# Altium PCB RP2350B.PcbDoc (continued)
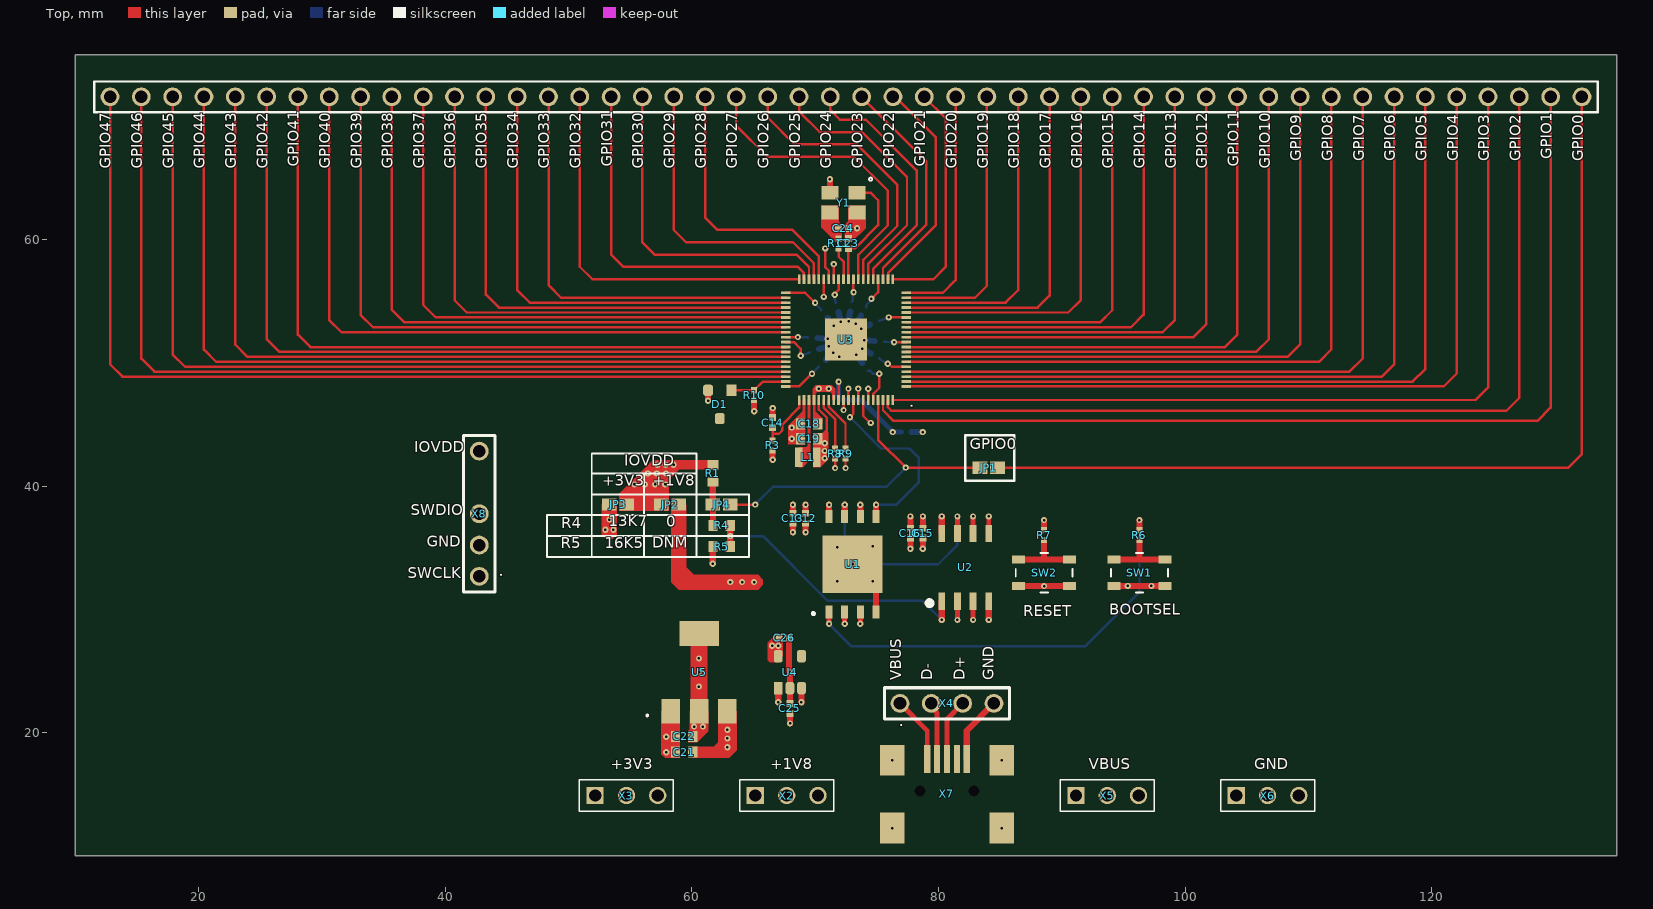
[diagram p0: Top view]
## Footprints (in the part's own frame and the unit in brackets; to place one, negate y for a bottom-side part, rotate by r counter-clockwise, add the part's x,y. Pads: shape width x height; smd on the part's side, far side on the other; paste and mask are expansions set on the pad)
1734327-1 [mm] "CONN RCPT USB2.0 MINI A SMD R/A"
  round 0.8 hole 0.9 unplated mask+0: 0(1,2.2) 0(1,-2.2)
  rect 2.3x0.5 smd: 1(3.6,1.6) 2(3.6,0.8) 3(3.6,0) 4(3.6,-0.8) 5(3.6,-1.6)
  rect 2.5x2 smd: 6(3.5,-4.45) 7(-2,-4.45) 8(-2,4.45) 9(3.5,4.45)
  body extent -4.95,-4.95 4.25,4.95, height 4.14
434133025816 [mm] "Push Button 4.2x3.2mm"
  rect 1.05x0.65 smd mask+0: 1(-2.075,1.075) 2(2.075,1.075) 3(-2.075,-1.075) 4(2.075,-1.075)
  silkscreen extent -2.3,-1.6 2.3,1.6, body extent -2.3,-1.6 2.3,1.6, height 2.5
ABM8 [mm] "Abracon ABM8 series footrpint"
  rect 1.1x1.4 smd: 1(-0.8,1.1) 2(-0.8,-1.1) 3(0.8,-1.1) 4(0.8,1.1)
  silkscreen extent -2.03,2.07 -1.77,2.33, body extent -1.35,-1.7 1.35,1.7, height 0.76
CAPC0402 [mm] "Chip Capacitor; Body 1.0x0.5mm (LxW typ) [0402], IPC High Density"
  rect 0.55x0.55 smd paste+0 mask+0.05: 1(-0.4,0) 2(0.4,0)
  body extent -0.5,-0.25 0.5,0.25, height 0.5
CAPC0603 [mm] "Chip Capacitor; Body 1.6x0.8mm (LxW typ) [0603], IPC High Density"
  rect 0.75x0.9 smd paste+0 mask+0.05: 1(-0.7,0) 2(0.7,0)
  body extent -0.8,-0.4 0.8,0.4, height 0.8
HDR_TH_1X3+0+1_M_00 [mil] "Header; 1x5 pins (one is key); Male; Straight; Pitch 2.54mm; Samtec HMTSW Series"
  round 60 hole 40 paste-99999 mask+1.97: 1(-200,0) 2(-100,0) 3(0,0) 4(200,0)
  silkscreen extent -250,-50 250,50, body extent -250,-49 250,49, height 340
HDR_TH_1X3_M_00 [mm] "Header; 1x3 pins; Male; Straight; Pitch 2.54mm"
  rect 1.4x1.4 hole 1 paste-2539.97 mask+0.05: 1(-2.54,0)
  round 1.4 hole 1 paste-2539.97 mask+0.05: 2(0,0) 3(2.54,0)
  silkscreen extent -3.81,-1.27 3.81,1.27, body extent -3.94,-1.27 3.81,1.27, height 10.67
HDR_TH_1X4_M_00 [mil] "Header; 1x4 pins; Male; Straight; Pitch 2.54mm; Samtec HMTSW Series"
  round 60 hole 40 paste-99999 mask+1.97: 1(-150,0) 2(-50,0) 3(50,0) 4(150,0)
  silkscreen extent -200,-50 200,50, body extent -200,-49 200,49, height 340
HDR_TH_1X48_M_00 [mil] "Header; 1x48 pins; Male; Straight; Pitch 2.54mm; Samtec HMTSW Series"
  round 60 hole 40 paste-99999 mask+1.97: 1(-2350,0) 2(-2250,0) 3(-2150,0) 4(-2050,0) 5(-1950,0) 6(-1850,0) 7(-1750,0) 8(-1650,0) 9(-1550,0) 10(-1450,0) 11(-1350,0) 12(-1250,0) 13(-1150,0) 14(-1050,0) 15(-950,0) 16(-850,0) 17(-750,0) 18(-650,0) 19(-550,0) 20(-450,0) 21(-350,0) 22(-250,0) 23(-150,0) 24(-50,0) 25(50,0) 26(150,0) 27(250,0) 28(350,0) 29(450,0) 30(550,0) 31(650,0) 32(750,0) 33(850,0) 34(950,0) 35(1050,0) 36(1150,0) 37(1250,0) 38(1350,0) 39(1450,0) 40(1550,0) 41(1650,0) 42(1750,0) 43(1850,0) 44(1950,0) 45(2050,0) 46(2150,0) 47(2250,0) 48(2350,0)
  silkscreen extent -2400,-49 2400,49, body extent -2400,-49 2400,49, height 340
IND_0806 [mm] "Inductor 0806 (2016 metric)"
  rect 0.6x1.6 smd paste+0 mask+0.05: 1(-0.725,0) 2(0.725,0)
  body extent -1,-0.8 1,0.8, height 1
JumperSMD_0603 [mm] "Chip Resistor, Body 1.6x0.8mm (LxW typ), IPC High Density"
  rect 1.2x1 smd paste-1 mask+0.05: 1(-0.711,0) 2(0.711,0)
  body extent -0.77,-0.42 0.78,0.43, height 0.7
QFN-80 [mm] "Raspberry pi"
  rect 3.4x3.4 smd paste+0 mask+0.05: 0(0,0)
  rect 0.78x0.22 smd paste+0 mask+0.05: 1(-4.897,3.8) 2(-4.897,3.4) 3(-4.897,3) 4(-4.897,2.6) 5(-4.897,2.2) 6(-4.897,1.8) 7(-4.897,1.4) 8(-4.897,1) 9(-4.897,0.6) 10(-4.897,0.2) 11(-4.897,-0.2) 12(-4.897,-0.6) 13(-4.897,-1) 14(-4.897,-1.4) 15(-4.897,-1.8) 16(-4.897,-2.2) 17(-4.897,-2.6) 18(-4.897,-3) 19(-4.897,-3.4) 20(-4.897,-3.8) 41(4.897,-3.8) 42(4.897,-3.4) 43(4.897,-3) 44(4.897,-2.6) 45(4.897,-2.2) 46(4.897,-1.8) 47(4.897,-1.4) 48(4.897,-1) 49(4.897,-0.6) 50(4.897,-0.2) 51(4.897,0.2) 52(4.897,0.6) 53(4.897,1) 54(4.897,1.4) 55(4.897,1.8) 56(4.897,2.2) 57(4.897,2.6) 58(4.897,3) 59(4.897,3.4) 60(4.897,3.8)
  rect 0.22x0.78 smd paste+0 mask+0.05: 21(-3.8,-4.896) 22(-3.4,-4.896) 23(-3,-4.896) 24(-2.6,-4.896) 25(-2.2,-4.896) 26(-1.8,-4.896) 27(-1.4,-4.896) 28(-1,-4.896) 29(-0.6,-4.896) 30(-0.2,-4.896) 31(0.2,-4.896) 32(0.6,-4.896) 33(1,-4.896) 34(1.4,-4.896) 35(1.8,-4.896) 36(2.2,-4.896) 37(2.6,-4.896) 38(3,-4.896) 39(3.4,-4.896) 40(3.8,-4.896) 61(3.796,4.905) 62(3.4,4.896) 63(3,4.896) 64(2.6,4.896) 65(2.2,4.896) 66(1.8,4.896) 67(1.4,4.896) 68(1,4.896) 69(0.6,4.896) 70(0.2,4.896) 71(-0.2,4.896) 72(-0.6,4.896) 73(-1,4.896) 74(-1.4,4.896) 75(-1.8,4.896) 76(-2.2,4.896) 77(-2.6,4.896) 78(-3,4.896) 79(-3.4,4.896) 80(-3.8,4.896)
  body extent -5.02,-5.02 5.02,5.02, height 0.85
RESC0402 [mm] "Chip Resistor, Body 1.1x0.5mm (LxW typ) [0402], IPC High Density"
  rect 0.5x0.5 smd paste+0 mask+0.05: 1(-0.4,0) 2(0.4,0)
  body extent -0.5,-0.25 0.5,0.25, height 0.35
RESC0603 [mm] "Chip Resistor, Body 1.6x0.8mm (LxW typ) [0603], IPC High Density"
  rect 0.75x0.9 smd paste+0 mask+0.05: 1(-0.7,0) 2(0.7,0)
  body extent -0.8,-0.4 0.8,0.4, height 0.45
"SOP-8L (150)" [mm] "apmemory SOP-8L(150)"
  rect 1.4x0.55 smd paste+0 mask+0.05: 1(-2.75,1.905) 2(-2.75,0.635) 3(-2.75,-0.635) 4(-2.75,-1.905) 5(2.75,-1.905) 6(2.75,-0.635) 7(2.75,0.635) 8(2.75,1.905)
  silkscreen extent -3.1,2.7 -2.7,3.1, body extent -3.02,-2.51 3.02,2.51, height 1.6
SOT23-3 [mm]
  rect 0.8x0.9 smd paste+0 mask+0.05: 1(0.95,1.15)
  rrect50% 0.8x0.9 smd paste+0 mask+0.05: 2(-0.95,1.15) 3(0,-1.15)
  body extent -1.45,-1.4 1.45,1.4, height 1.3
SOT23-5 [mil] "SOT 23 5 lead"
  rect 28x39 smd paste+0 mask+1.97: 1(-37,-51)
  rrect50% 28x39 smd paste+0 mask+1.97: 2(0,-51) 3(37,-51) 4(37,51) 5(-37,51)
  body extent -59,-49 59,49, height 42
SOT-232-4 [mm] "onsemi"
  rect 1.5x2 smd: 1(-2.3,-3.15) 2(0,-3.15) 3(2.3,-3.15)
  rect 3.2x2 smd: 4(0,3.15)
  silkscreen extent -4.27,-3.57 -4.12,-3.43, body extent -3.35,-3.64 3.35,3.64, height 1.81
WSON8-6x8 [mm]
  rect 4.7x4.9 smd paste+0 mask+0.05: 0(0,0)
  rect 1.05x0.57 smd paste+0 mask+0.05: 1(-3.875,1.905) 2(-3.875,0.635) 3(-3.875,-0.635) 4(-3.875,-1.905) 5(3.875,-1.905) 6(3.875,-0.635) 7(3.875,0.635) 8(3.875,1.905)
  silkscreen extent -4.1,3.07 -3.9,3.28, body extent -4,-3 4,3, height 0.81

## Part data
C1: library part 100n_0402_10V_X7R_5%, "Capacitor; Ceramic; 100n; 2; 10V; X7R; 5%; -55°C ~ 125°C", Manufacturer=KEMET, Supplier Part Number 1=399-8942-6-ND, ComponentLink1Description=Datasheet, ComponentLink1URL=https://content.kemet.com/datasheets/KEM_C1002_X7R_SMD.pdf, ComponentLink2Description="Supplier Info", ComponentLink2URL=https://www.digikey.com/en/products/detail/kemet/C0402C104J8RACTU/2196231?s=N4IgTCBcDaIMwE4EFoAcCAsZkDZkDkAREAXQF8g, Manufacturer Part Number=C0402C104J8RACTU, Supplier 1=DigiKey
C2 C14: library part 4u7_0402_10V_X5R_10%, "Capacitor; Ceramic; 4.7u; 0402; 10V; X5R; 10%; -55°C ~ 85°C", Manufacturer="Samsung Electro-Mechanics", Supplier Part Number 1=1276-1480-6-ND, ComponentLink1Description=Datasheet, ComponentLink1URL=https://media.digikey.com/pdf/Data%20Sheets/Samsung%20PDFs/CL05A475KP5NRNC_Spec.pdf, ComponentLink2Description="Supplier Info", ComponentLink2URL=https://www.digikey.com/en/products/detail/samsung-electro-mechanics/CL05A475KP5NRNC/3887138?s=N4IgTCBcDaIIxgOwDYC0cAsAOADKtAcgCIgC6AvkA, Manufacturer Part Number=CL05A475KP5NRNC, Supplier 1=DigiKey
C3 C4 C5 C6 C7 C8 C9 C10 C11 C13 C16 C20: library part 100n_0402_10V_X7R_5%, "Capacitor; Ceramic; 100n; 0402; 10V; X7R; 5%; -55°C ~ 125°C", Manufacturer=KEMET, Supplier Part Number 1=399-8942-6-ND, ComponentLink1Description=Datasheet, ComponentLink1URL=https://content.kemet.com/datasheets/KEM_C1002_X7R_SMD.pdf, ComponentLink2Description="Supplier Info", ComponentLink2URL=https://www.digikey.com/en/products/detail/kemet/C0402C104J8RACTU/2196231?s=N4IgTCBcDaIMwE4EFoAcCAsZkDZkDkAREAXQF8g, Manufacturer Part Number=C0402C104J8RACTU, Supplier 1=DigiKey
C12 C15 C25 C26: library part 1u_0402_10V_X5R_10%, "Capacitor; Ceramic; 1u; 0402; 10V; X5R; 10%; -55°C ~ 85°C", Manufacturer="Samsung Electro-Mechanics", Supplier Part Number 1=1276-1076-6-ND, ComponentLink1Description=Datasheet, ComponentLink1URL=https://www.samsungsem.com/resources/file/global/support/product_catalog/MLCC.pdf, ComponentLink2Description="Supplier Info", ComponentLink2URL=https://www.digikey.com/en/products/detail/samsung-electro-mechanics/CL05A105KP5NNNC/3886734?s=N4IgTCBcDaIIxgOwDYC0cAMLVoHIBEQBdAXyA, Manufacturer Part Number=CL05A105KP5NNNC, Supplier 1=DigiKey
C18 C19: library part 4u7_0603_6V3_X7S_10%, "Capacitor; Ceramic; 4.7u; 0603; 6.3V; X7S; 10%; -55°C ~ 125°C", Manufacturer="Murata Electronics", Manufacturer Part Number=GCJ188C70J475KE02D, Supplier Part Number 1=490-16480-1-ND, ComponentLink1Description=Datasheet, ComponentLink1URL=https://search.murata.co.jp/Ceramy/image/img/A01X/G101/ENG/GCJ188C70J475KE02-01.pdf, ComponentLink2Description="Supplier Info", ComponentLink2URL=https://www.digikey.de/en/products/detail/murata-electronics/GCJ188C70J475KE02D/7363224, Supplier 1=DigiKey
C21 C22: library part 10u_0603_16V_X5R_10%, "Capacitor; Ceramic; 10u; 0603; 16V; X5R; 10%; -55°C ~ 85°C", Manufacturer="Murata Electronics", Manufacturer Part Number=GRM188R61C106KAALD, Supplier Part Number 1=490-10728-6-ND, ComponentLink1Description=Datasheet, ComponentLink1URL=https://search.murata.co.jp/Ceramy/image/img/A01X/G101/ENG/GRM188R61C106KAAL-01.pdf, ComponentLink2Description="Supplier Info", ComponentLink2URL=https://www.digikey.com/en/products/detail/murata-electronics/GRM188R61C106KAALD/4905338?s=N4IgTCBcDaICwE4AMBaAjEg7GAHCgbCgHIAiIAugL5A, Supplier 1=DigiKey
C23 C24: library part 15p_0402_25V_C0G/NP0_5%, "Capacitor; Ceramic; 15p; 0402; 25V; C0G/NP0; +/-5%; -55°C ~ 125°C", Manufacturer=YAGEO, Manufacturer Part Number=CC0402JRNPO8BN150, Supplier Part Number 1=311-3746-1-ND, ComponentLink1Description=Datasheet, ComponentLink1URL=https://www.yageo.com/upload/media/product/productsearch/datasheet/mlcc/UPY-GP_NP0_16V-to-50V_18.pdf, ComponentLink2Description="Supplier Info", ComponentLink2URL=https://www.digikey.de/en/products/detail/yageo/CC0402JRNPO8BN150/5883268, Supplier 1=DigiKey
D1: "Shunt Voltage Reference IC Fixed 3V ±1% 15 mA SOT-23-3", Manufacturer="Diodes Incorporated", Supplier Part Number 1=LM4040D30FTADICT-ND, ComponentLink1Description=Datasheet, ComponentLink1URL=https://www.diodes.com/assets/Datasheets/LM4040.pdf, ComponentLink2Description="Supplier Info", ComponentLink2URL=https://www.digikey.de/en/products/detail/diodes-incorporated/LM4040D30FTA/4249974, Manufacturer Part Number=LM4040D30FTA, Supplier 1=Digi-Key
JP1 JP2 JP3 JP4: library part JMP_0R_0603, "Jumper; Chip; 0R; 0603; 500mW", Manufacturer=Keystone, Manufacturer Part Number=5110, Supplier Part Number 1=36-5110CT-ND, ComponentLink1Description=Datasheet, ComponentLink1URL=https://www.keyelco.com/userAssets/file/M65p54.pdf, ComponentLink2Description="Supplier Info", ComponentLink2URL=https://www.digikey.com/en/products/detail/keystone-electronics/5110/5118870?s=N4IgTCBcDaINIFMCeBnALgewHYIAQFYBGQgBhAF0BfIA, Supplier 1=DigiKey
L1: "3.3 µH Shielded Inductor 1.4 A 225mOhm Max 0806", Manufacturer="Bourns Inc.", Manufacturer Part Number=SRP2010DPA-3R3M, Supplier Part Number 1=118-SRP2010DPA-3R3MCT-ND, ComponentLink1Description="Supplier Info", ComponentLink1URL=https://www.digikey.de/en/products/detail/bourns-inc/SRP2010DPA-3R3M/16185975?s=N4IgTCBcDaIMoCUAKYAMBGVARJBBAtAMwKECyIAugL5A, ComponentLink2Description=Datasheet, ComponentLink2URL=https://mm.digikey.com/Volume0/opasdata/d220001/medias/docus/5338/SRP2010DPA_Series_DS.pdf, Supplier 1=Digi-Key
R1: library part 10K_0603_100mW_1%_100ppm, "Resistor; Chip; 10k; 0603; 75V; 1%; 100ppm; 100mW; -55°C ~ 155°C", Manufacturer=Yageo, Manufacturer Part Number=RC0603FR-0710KL, Supplier Part Number 1=311-10.0KHRDKR-ND, ComponentLink1Description=Datasheet, ComponentLink1URL=https://www.yageo.com/upload/media/product/productsearch/datasheet/rchip/PYu-RC_Group_51_RoHS_L_11.pdf, ComponentLink2Description="Supplier Info", ComponentLink2URL=https://www.digikey.com/en/products/detail/yageo/RC0603FR-0710KL/726880?s=N4IgTCBcDaIMwEYEFoEAYB0aDSAJASgCLb7IByhIAugL5A, Supplier 1=DigiKey
R3: library part 33R_0402_63mW_1%_100ppm, "Resistor; Chip; 33R; 0402; 50V; 1%; 100ppm; 63mW; -55°C ~ 155°C", Manufacturer=Yageo, Supplier Part Number 1=311-33.0LRDKR-ND, ComponentLink1Description=Datasheet, ComponentLink1URL=https://www.yageo.com/upload/media/product/productsearch/datasheet/rchip/PYu-RC_Group_51_RoHS_L_11.pdf, ComponentLink2Description="Supplier Info", ComponentLink2URL=https://www.digikey.com/en/products/detail/yageo/RC0402FR-0733RL/726593?s=N4IgTCBcDaIMwEYEFo5wHQAYAyAlAIgNK7IBy%2BIAugL5A, Manufacturer Part Number=RC0402FR-0733RL, Supplier 1=DigiKey
R4: library part 13K7_0603_100mW_0.1%_25ppm, "Resistor; Chip; 13K7; 0603; 0.1%; 25ppm; 100mW; -55°C ~ 155°C", Manufacturer=YAGEO, Manufacturer Part Number=RT0603BRD0713K7L, Supplier Part Number 1=YAG4473CT-ND, ComponentLink1Description=Datasheet, ComponentLink1URL=https://www.yageo.com/upload/media/product/app/datasheet/rchip/pyu-rt_1-to-0.01_rohs_l.pdf, ComponentLink2Description="Supplier Info", ComponentLink2URL=https://www.digikey.de/en/products/detail/yageo/RT0603BRD0713K7L/1072241, Supplier 1=DigiKey
R5: library part 16K5_0603_100mW_0.1%_25ppm, "Resistor; Chip; 16K5; 0603; 0.1%; 25ppm; 100mW; -55°C ~ 155°C", Manufacturer=YAGEO, Manufacturer Part Number=RT0603BRD0716K5L, Supplier Part Number 1=YAG1544CT-ND, ComponentLink1Description=Datasheet, ComponentLink1URL=https://www.yageo.com/upload/media/product/app/datasheet/rchip/pyu-rt_1-to-0.01_rohs_l.pdf, ComponentLink2Description="Supplier Info", ComponentLink2URL=https://www.digikey.de/en/products/detail/yageo/RT0603BRD0716K5L/1072278, Supplier 1=DigiKey
R6 R7 R11: library part 1K_0402_63mW_1%_100ppm, "Resistor; Chip; 1k; 0402; 50V; 1%; 100ppm; 63mW; -55°C ~ 155°C", Manufacturer=Yageo, Supplier Part Number 1=311-1.00KLRDKR-ND, ComponentLink1Description=Datasheet, ComponentLink1URL=https://www.yageo.com/upload/media/product/productsearch/datasheet/rchip/PYu-RC_Group_51_RoHS_L_11.pdf, ComponentLink2Description="Supplier Info", ComponentLink2URL=https://www.digikey.com/en/products/detail/yageo/RC0402FR-071KL/726513?s=N4IgTCBcDaIMwEYEFoEDoAMGDSAZASgCLb7IByhIAugL5A, Manufacturer Part Number=RC0402FR-071KL, Supplier 1=DigiKey
R8 R9: library part 27R_0402_63mW_1%_100ppm, "Resistor; Chip; 27Ohm; 0402; 1%; 100ppm; 63mW; -55°C ~ 155°C", Manufacturer=YAGEO, Manufacturer Part Number=RC0402FR-0727RL, Supplier Part Number 1=YAG3086CT-ND, ComponentLink1Description=Datasheet, ComponentLink1URL=https://www.yageo.com/upload/media/product/products/datasheet/rchip/PYu-RC_Group_51_RoHS_L_12.pdf, ComponentLink2Description="Supplier Info", ComponentLink2URL=https://www.digikey.de/en/products/detail/yageo/RC0402FR-0727RL/5280946, Supplier 1=DigiKey
R10: "Resistor; Chip; 301R; 0402; 1%; 100ppm; 63mW; -55°C ~ 155°C", Manufacturer=YAGEO, Manufacturer Part Number=RC0402FR-07301RL, Supplier Part Number 1=311-301LRCT-ND, ComponentLink1Description=Datasheet, ComponentLink1URL=https://www.yageo.com/upload/media/product/products/datasheet/rchip/PYu-RC_Group_51_RoHS_L_12.pdf, ComponentLink2Description="Supplier Info", ComponentLink2URL=https://www.digikey.de/en/products/detail/yageo/RC0402FR-07301RL/726591, Supplier 1=DigiKey
SW1 SW2: "SWITCH TACTILE SPST-NO 0.05A 16V", Manufacturer="Würth Elektronik", Supplier Part Number 1=732-13663-1-ND, ComponentLink1Description=Datasheet, ComponentLink1URL=https://www.we-online.com/components/products/datasheet/434133025816.pdf, ComponentLink2Description="Supplier Info", ComponentLink2URL=https://www.digikey.de/en/products/detail/w%C3%BCrth-elektronik/434133025816/9950810?s=N4IgTCBcDaICwGY4EYEIAxgKwA5kDYQBdAXyA, Manufacturer Part Number=434133025816, Supplier 1=Digi-Key
U1: "IC FLASH 128MBIT SPI/QUAD 8WSON", Manufacturer="ISSI, Integrated Silicon Solution Inc", Supplier Part Number 1=706-1625-ND, ComponentLink1Description=Datasheet, ComponentLink1URL=https://www.issi.com/WW/pdf/25WP128.pdf, ComponentLink2Description="Supplier Info", ComponentLink2URL=https://www.digikey.de/en/products/detail/issi-integrated-silicon-solution-inc/IS25WP128-JLLE/7567476, Manufacturer Part Number=IS25WP128-JLLE, Supplier 1=Digi-Key
U2: "IC PSRAM 64MBIT QSPI SOP-8L", Manufacturer="AP Memory", Supplier Part Number 1=878-APS6404L-SQN-SN, ComponentLink1Description=Datasheet, ComponentLink1URL=https://www.mouser.de/datasheet/2/1127/APM_PSRAM_QSPI_APS6404L_SQN_v3_6_PKG-1954836.pdf, ComponentLink2Description="Supplier Info", ComponentLink2URL=https://www.mouser.de/ProductDetail/AP-Memory/APS6404L-SQN-SN?qs=sGAEpiMZZMutXGli8Ay4kD40unR62EiRpDwP77v2d3Y%3D, Manufacturer Part Number=APS6404L-SQN-SN, Supplier 1=Mouser
U3: "IC MCU 32BIT EXT MEM 80QFN", ComponentLink1Description=Datasheet, ComponentLink1URL=https://datasheets.raspberrypi.com/rp2350/rp2350-datasheet.pdf, ComponentLink2Description="Supplier Info"
U4: "IC REG LINEAR 1.8V 300MA SOT23-5", Manufacturer="Diodes Incorporated", Supplier Part Number 1=AP2127K-1.8TRG1DICT-ND, ComponentLink1Description=Datasheet, ComponentLink1URL=https://www.diodes.com/assets/Datasheets/AP2127.pdf, ComponentLink2Description="Supplier Info", ComponentLink2URL=https://www.digikey.de/en/products/detail/diodes-incorporated/AP2127K-1-8TRG1/4470784, Manufacturer Part Number=AP2127K-1.8TRG1, Supplier 1=Digi-Key
U5: "IC REG LINEAR 3.3V 1A SOT223", Manufacturer=onsemi, Supplier Part Number 1=NCP1117LPST33T3GOSCT-ND, ComponentLink1Description=Datasheet, ComponentLink1URL=https://www.onsemi.com/pdf/datasheet/ncp1117lp-d.pdf, ComponentLink2Description="Supplier Info", ComponentLink2URL=https://www.digikey.de/en/products/detail/onsemi/NCP1117LPST33T3G/2194024, Manufacturer Part Number=NCP1117LPST33T3G, Supplier 1=DigiKey
X1: library part HDR_TH_1X48_M_00, "Header; 1x48 pins; Male; Straight; Pitch 2.54mm; Samtec HMTSW Series", Manufacturer="Samtec Inc.", ComponentLink1Description="Supplier Info", ComponentLink2Description=Datasheet, ComponentLink2URL=https://www.samtec.com/products/hmtsw-148-07-g-s-240, Manufacturer Part Number=HMTSW-148-07-G-S-240
X2 X3 X5 X6: library part HDR_TH_1X3_M_00, "Header; 1x3 pins; Male; Straight; Pitch 2.54mm", Manufacturer="TE Connectivity", Manufacturer Part Number=825433-2, Supplier Part Number 1=A106465-ND, ComponentLink1Description="Supplier Info", ComponentLink1URL=https://www.digikey.de/product-detail/en/te-connectivity-amp-connectors/825433-3/A106465-ND/2054408, ComponentLink2Description=Datasheet, ComponentLink2URL=https://www.te.com/commerce/DocumentDelivery/DDEController?Action=srchrtrv&DocNm=825433&DocType=Customer+Drawing&DocLang=English, Supplier 1=Digi-Key
X4: library part HDR_TH_1X4_M_00, "Header; 1x4 pins; Male; Straight; Pitch 2.54mm; Samtec HMTSW Series", Manufacturer="Samtec Inc.", Supplier Part Number 1=HMTSW-104-07-G-S-240-ND, ComponentLink1Description="Supplier Info", ComponentLink1URL=https://www.digikey.de/en/products/detail/samtec-inc/HMTSW-104-07-G-S-240/8450698, ComponentLink2Description=Datasheet, ComponentLink2URL=https://mm.digikey.com/Volume0/opasdata/d220001/medias/docus/6129/hmtsw-xxx-xx-xxx-x-xxxx-xx-xx-mkt.pdf, Manufacturer Part Number=HMTSW-104-07-G-S-240, Supplier 1=Digi-Key
X7: "USB - mini A USB 2.0 Receptacle Connector 5 Position Surface Mount, Right Angle", Manufacturer="TE Connectivity AMP Connectors", Supplier Part Number 1=A123107-ND, ComponentLink1Description=Datasheet, ComponentLink1URL=https://www.mouser.de/datasheet/2/418/7/ENG_CD_1734327_D1-2016926.pdf, ComponentLink2Description="Supplier Info", ComponentLink2URL=https://www.digikey.de/en/products/detail/te-connectivity-amp-connectors/1734327-1/1891548, Manufacturer Part Number=1734327-1, Supplier 1=Digi-Key
X8: library part HDR_TH_1X3+1_M_00, "Header; 1x5 pins (with key); Male; Straight; Pitch 2.54mm; Samtec HMTSW Series", Manufacturer="Samtec Inc.", Manufacturer Part Number=HMTSW-105-07-G-S-240, Supplier Part Number 1=612-HMTSW-105-07-G-S-240-ND, ComponentLink1Description="Supplier Info", ComponentLink1URL=https://www.digikey.de/en/products/detail/samtec-inc/HMTSW-105-07-G-S-240/8451402, ComponentLink2Description=Datasheet, ComponentLink2URL=http://suddendocs.samtec.com/catalog_english/mtsw.pdf, Supplier 1=DigiKey
Y1: "Christal; SMD; 12 MHz ±30ppm; 10pF/50Ohm", Manufacturer="Abracon LLC", Supplier Part Number 1=535-ABM8-272-T3CT-ND, ComponentLink1Description=Datasheet, ComponentLink1URL=https://mm.digikey.com/Volume0/opasdata/d220001/medias/docus/6128/ABM8-272-T3.pdf, ComponentLink2Description="Supplier Info", ComponentLink2URL=https://www.digikey.de/en/products/detail/abracon-llc/ABM8-272-T3/22472366, Manufacturer Part Number=ABM8-272-T3, Supplier 1=Digi-Key

## Via types
v1: diameter 0.508, hole 0.203, Top to Bottom, tented both sides, 123 vias

## Nets (pads, with @x,y where several pads share a name; then routed paths per layer and width w, separated by ;. In a path a pad name is that pad's centre, name@x,y a point inside that pad or via, vN(x,y) a via of type N, cw(c..) or ccw(c..) an arc to the next point about the centre after c; other vN are vias at no path point)
+1V1: C1.2 C2.2 C3.2 C19.2 L1.1 U3.10 U3.32 U3.51 U3.65 | length 9.9
  Top w0.2: U3.51 68.279,51.677 68.824,51.133 v1(68.824,50.575) ; U3.65 70.3,46.19 70.95,45.54 70.95,44.35 70.79,44.19 ; v1(71.584,55.509) 71.584,55.592 71.9,55.908 U3.32 ; v1(76.395,51.673) 77.106,51.673 U3.10
  Bottom w0.2: v1(68.824,50.575) 69.413,50.784 C3.2 ; v1(71.584,55.509) 71.523,55.509 71.499,55.485 71.625,55.033 C1.2 ; C2.2 75.771,51.706 v1(76.395,51.673)
  other v1: 70.78,42.26 70.78,42.85 70.78,43.48
+1V8: C12.1 C13.2 C15.1 C16.2 C20.2 C26.1 JP2.1 U1.8 U2.8 U3.69 U4.5 X5.1 X5.2 X5.3 | length 14.6
  Top w0.2: U3.69 v1(71.9,48.45)
  Top w0.5: C13.2 v1(68.2,38.49) ; C12.1 v1(69.22,38.49) ; U1.8 v1(71.125,38.49) ; C16.2 v1(77.73,37.534) ; C15.1 v1(78.74,37.534) ; U2.8 v1(80.269,37.534)
  Bottom w0.4: v1(71.9,48.45) 71.9,47.271 72.19,46.981 73.719,46.981 76.3,44.4 v1(76.3,44.38) C20.2
  other v1: 66.501,27.046 67.01,27.046 63.106,32.21 64.074,32.21 65.042,32.21
+3V3: C18.2 C22.2 JP3.1 R3.1 R10.2 U3.64 U3.68 U5.2 U5.4 X3.1 X3.2 X3.3 | length 8
  Top w0.5: v1(65.05,46.068) R10.2 ; v1(66.55,42.125) R3.1
  Top w1.4: U5.2 U5.4
  other v1: 60.179,20.493 60.894,20.493 60.572,23.739 60.572,24.906 60.572,26.018 52.99,36.45 53.635,36.45 53.31,37.28 70.3,47.91 71.1,47.91
D+: R9.1 X4.3 X7.3 | length 40.4
  Top w0.2: v1(72.46,41.46) R9.1
  Top w0.4: X7.3 80.69,21.101 X4.3
  Inner1 w0.2: v1(72.46,41.46) 70.73,39.73 67.711,39.73 66.906,38.925 66.906,31.551 71.956,26.5 80.75,26.5 81.96,25.29 X4.3
D-: R8.1 X4.2 X7.2 | length 37.7
  Top w0.2: v1(71.61,41.46) R8.1
  Top w0.4: X4.2 79.42,22.067 79.89,21.597 X7.2
  Inner1 w0.2: v1(71.61,41.46) 70.61,40.46 67.66,40.46 66.3,39.1 66.3,31.13 71.725,25.704 78.206,25.704 79.42,24.49 X4.2
DM: R8.2 U3.66 | length 4.3
  Top w0.2: U3.66@70.697,46.979 U3.66 70.7,46.34 71.61,45.43 R8.2
DP: R9.2 U3.67 | length 4.5
  Top w0.2: U3.67 71.11,46.971 71.11,46.425 72.46,45.075 R9.2
GND: C1.1 C2.1 C3.1 C4.1 C5.1 C6.1 C7.1 C8.1 C9.1 C10.1 C11.1 C12.2 C13.1 C14.1 C15.2 C16.1 C18.1 C19.1 C20.1 C21.1 C22.1 C23.1 C24.1 C25.2 C26.2 D1.2 R5.1 SW1.1 SW1.2 SW2.1 SW2.2 U1.0 U1.4 U2.4 U3.0 U3.62 U4.2 U5.1 X4.4 X6.1 X6.2 X6.3 X7.5 X7.6 X7.7 X7.8 X7.9 X8.2 Y1.2 Y1.4 | length 42.4
  Top w0.2: 96.382,31.89 96.382,31.965
  Top w0.5: v1(61.313,46.929) D1.2 ; v1(61.695,33.71) 61.697,33.712 61.697,35.08 R5.1 ; C14.1 v1(66.55,46.322) ; C26.2 67.89,24.964 v1(67.95,24.904) C25.2 ; v1(68.2,36.253) C13.1 ; v1(69.22,36.253) C12.2 ; Y1.2 v1(71.2,64.888) ; v1(73.03,33.659) 74.935,31.754 U1.4 ; v1(77.73,34.91) C16.1 ; v1(78.73,34.91) 78.73,34.912 78.74,34.922 C15.2 ; X7.5 82.29,20.161 X4.4 ; v1(84.079,29.139) U2.4 ; SW2.2 v1(88.567,31.89) SW2.1 ; SW1.2 95.338,31.89 v1(95.35,31.9) 95.352,31.9 95.362,31.89 SW1.1
  Bottom w0.5: C10.1 v1(71.001,51.943) ; C3.1 v1(71.095,51.352) ; C9.1 v1(71.449,50.807) ; C11.1 v1(71.526,53.018) ; C1.1 v1(72.087,53.319) ; v1(72.709,53.363) C8.1 ; v1(73.299,53.154) C5.1 ; v1(73.339,50.634) C7.1 ; v1(73.721,52.748) C4.1 ; v1(73.806,51.139) C6.1 ; v1(73.999,51.825) C2.1 ; C20.1 v1(78.717,44.38)
  other v1: 76.24,12.26 85.14,12.26 76.24,17.76 85.14,17.76 57.93,18.419 57.93,19.679 97.273,31.9 71.78,32.295 74.65,32.295 71.78,35.02 74.65,35.116 68.103,43.84 68.103,44.741 71.962,50.477 73.4,60.9
GPIO0: JP1.1 JP4.2 U3.77 | length 27.9
  Top w0.2: JP4.2@63.118,38.5 v1(65.131,38.5) ; U3.77 75.1,43.75 v1(77.353,41.497) JP1.1
  Bottom w0.2: v1(65.131,38.5) 66.576,39.945 75.8,39.945 v1(77.353,41.497)
GPIO1: U3.78 X1.2 | length 81
  Top w0.2: U3.78 75.5,46.15 76.36,45.29 128.57,45.29 129.65,46.37 X1.2
GPIO2: U3.79 X1.3 | length 76.8
  Top w0.2: U3.79 75.9,46.39 76.19,46.1 126.05,46.1 127.11,47.16 X1.3
GPIO3: U3.80 X1.4 | length 72.3
  Top w0.2: U3.80 123.551,46.981 124.57,48 X1.4
GPIO4: U3.1 X1.5 | length 67.5
  Top w0.2: U3.1 120.977,48.077 122.03,49.13 X1.5
GPIO5: U3.2 X1.6 | length 64.6
  Top w0.2: U3.2 118.457,48.477 119.49,49.51 X1.6
GPIO6: U3.3 X1.7 | length 61.7
  Top w0.2: U3.3 115.967,48.877 116.95,49.86 X1.7
GPIO7: U3.4 X1.8 | length 58.7
  Top w0.2: U3.4 113.327,49.277 114.41,50.36 X1.8
GPIO8: U3.6 X1.9 | length 55.4
  Top w0.2: U3.6 110.847,50.077 111.87,51.1 X1.9
GPIO9: U3.7 X1.10 | length 52.4
  Top w0.2: U3.7 108.317,50.477 109.33,51.49 X1.10
GPIO10: U3.8 X1.11 | length 49.5
  Top w0.2: U3.8 105.767,50.877 106.79,51.9 X1.11
GPIO11: U3.9 X1.12 | length 46.6
  Top w0.2: U3.9 103.237,51.277 104.25,52.29 X1.12
GPIO12: U3.11 X1.13 | length 43.2
  Top w0.2: U3.11 100.677,52.077 101.71,53.11 X1.13
GPIO13: U3.12 X1.14 | length 40.3
  Top w0.2: U3.12 98.177,52.477 99.17,53.47 X1.14
GPIO14: U3.13 X1.15 | length 37.3
  Top w0.2: U3.13 95.607,52.877 96.63,53.9 X1.15
GPIO15: U3.14 X1.16 | length 34.4
  Top w0.2: U3.14 93.107,53.277 94.09,54.26 X1.16
GPIO16: U3.16 X1.17 | length 31
  Top w0.2: U3.16 90.527,54.077 91.55,55.1 X1.17
GPIO17: U3.17 X1.18 | length 28.1
  Top w0.2: U3.17 88.037,54.477 89.01,55.45 X1.18
GPIO18: U3.18 X1.19 | length 25.2
  Top w0.2: U3.18 85.447,54.877 86.47,55.9 X1.19
GPIO19: U3.19 X1.20 | length 22.3
  Top w0.2: U3.19 82.957,55.277 83.93,56.25 X1.20
GPIO20: U3.20 X1.21 | length 19.3
  Top w0.2: U3.20 80.357,55.677 81.39,56.71 X1.21
GPIO21: U3.21 X1.22 | length 19.2
  Top w0.2: U3.21 79.583,56.773 80.58,57.77 80.58,69.837 X1.22
GPIO22: U3.22 X1.23 | length 18
  Top w0.2: U3.22 75.91,56.783 75.91,57.283 79.797,61.171 79.797,68.277 76.507,71.567 X1.23
GPIO23: U3.23 X1.24 | length 18.4
  Top w0.2: X1.24 79.014,66.323 79.014,61.2 75.5,57.686 U3.23
GPIO24: U3.25 X1.25 | length 20.4
  Top w0.2: X1.25 71.23,70.49 72.01,69.71 74.12,69.71 78.231,65.599 78.231,61.145 74.7,57.614 U3.25
GPIO25: U3.26 X1.26 | length 21.7
  Top w0.2: X1.26 68.69,70.39 70.37,68.71 73.79,68.71 77.448,65.052 77.448,61.155 74.3,58.007 U3.26 U3.26@74.31,56.783
GPIO26: U3.27 X1.27 | length 23.3
  Top w0.2: X1.27 66.15,69.88 68.32,67.71 73.386,67.71 76.666,64.43 76.666,61.116 73.9,58.35 U3.27
GPIO27: U3.28 X1.28 | length 25
  Top w0.2: X1.28 63.61,69.21 66.11,66.71 73.132,66.71 75.883,63.959 75.883,61.142 73.5,58.759 U3.28
GPIO28: U3.36 X1.29 | length 22.2
  Top w0.2: X1.29 61.07,61.78 62.077,60.773 68.153,60.773 70.3,58.626 U3.36
GPIO29: U3.37 X1.30 | length 24.6
  Top w0.2: X1.30 58.53,60.78 59.537,59.773 68.202,59.773 69.9,58.075 U3.37
GPIO30: U3.38 X1.31 | length 27.1
  Top w0.2: X1.31 55.99,59.76 56.977,58.773 68.483,58.773 69.5,57.756 U3.38
GPIO31: U3.39 X1.32 | length 29.6
  Top w0.2: X1.32 53.45,58.78 54.457,57.773 68.605,57.773 69.09,57.289 69.09,56.783 U3.39
GPIO32: U3.40 X1.33 | length 32
  Top w0.2: X1.33 50.91,57.79 51.927,56.773 U3.40
GPIO33: U3.42 X1.34 | length 34.9
  Top w0.2: X1.34 48.4,71.537 48.4,56.27 49.393,55.277 U3.42
GPIO34: U3.43 X1.35 | length 37.9
  Top w0.2: X1.35 45.83,55.9 46.853,54.877 U3.43
GPIO35: U3.44 X1.36 | length 40.8
  Top w0.2: X1.36 43.29,55.53 44.343,54.477 U3.44
GPIO36: U3.45 X1.37 | length 43.8
  Top w0.2: X1.37 40.75,55.07 41.743,54.077 U3.45
GPIO37: U3.46 X1.38 | length 46.7
  Top w0.2: X1.38 38.21,54.69 39.223,53.677 U3.46
GPIO38: U3.47 X1.39 | length 49.6
  Top w0.2: X1.39 35.67,54.29 36.683,53.277 U3.47
GPIO39: U3.48 X1.40 | length 52.6
  Top w0.2: X1.40 33.13,53.89 34.143,52.877 U3.48
GPIO40: U3.49 X1.41 | length 55.5
  Top w0.2: X1.41 30.58,71.557 30.58,53.48 31.583,52.477 U3.49
GPIO41: U3.52 X1.42 | length 59.2
  Top w0.2: X1.42 28.05,52.29 29.063,51.277 U3.52
GPIO42: U3.53 X1.43 | length 62.2
  Top w0.2: X1.43 25.51,51.93 26.563,50.877 U3.53
GPIO43: U3.54 X1.44 | length 65.1
  Top w0.2: X1.44 22.97,51.47 23.963,50.477 U3.54
GPIO44: U3.55 X1.45 | length 68.1
  Top w0.2: X1.45 20.43,51.07 21.423,50.077 U3.55
GPIO45: U3.56 X1.46 | length 71
  Top w0.2: X1.46 17.89,50.68 18.893,49.677 U3.56
GPIO46: U3.57 X1.47 | length 73.9
  Top w0.2: X1.47 15.35,50.34 16.413,49.277 U3.57
GPIO47: U3.58 X1.48 | length 76.9
  Top w0.2: X1.48 12.81,49.88 13.813,48.877 U3.58
IOVDD: C4.2 C5.2 C6.2 C7.2 C8.2 C9.2 C10.2 C11.2 JP2.2 JP3.2 R1.2 U3.5 U3.15 U3.24 U3.29 U3.41 U3.50 U3.60 U3.76 X8.4 | length 21.3
  Top w0.2: U3.60 68.7,48.077 v1(69.742,49.12) ; U3.50 67.893,52.081 v1(68.605,52.081) ; U3.41 69.181,55.677 v1(69.993,54.865) ; U3.29 73.105,56.768 73.105,55.734 v1(73.11,55.729) ; v1(74.567,55.185) 75.1,55.718 U3.24 ; U3.76 74.71,46.991 74.71,47.47 75.196,47.956 v1(75.196,49.12) ; v1(75.877,49.927) 75.961,49.927 76.211,49.677 U3.5 ; v1(75.959,53.678) 77.106,53.678 U3.15
  Bottom w0.2: v1(68.605,52.081) 68.626,52.06 69.383,52.06 C10.2 ; v1(69.742,49.12) C9.2 ; v1(69.993,54.865) 69.993,54.816 70.507,54.301 C11.2 ; C8.2 73.051,55.036 73.051,55.67 v1(73.11,55.729) ; C5.2 74.144,54.679 74.567,55.101 v1(74.567,55.185) ; C7.2 74.46,49.338 74.678,49.12 v1(75.196,49.12) ; C6.2 75.334,50.235 v1(75.877,49.927) ; C4.2 75.364,53.452 v1(75.959,53.678)
  other v1: 55.343,40.13 56.179,40.13 57.014,40.13 57.85,40.13 56.424,41.02 57.159,41.02 57.894,41.02 57.217,41.72 57.867,41.72 58.517,41.72
NetC14_2: C14.2 R3.2 U3.61 | length 5
  Top w0.2: R3.2 66.55,44.23 ; C14.2 66.55,44.23 ; U3.61 68.703,46.364 67.345,45.005 67.345,44.525 67.05,44.23 66.55,44.23
NetC24_2: C24.2 R11.1 Y1.3
NetD1_1: D1.1 R10.1 U3.59 | length 4.7
  Top w0.2: D1.1 R10.1 65.757,48.477 U3.59
NetJP1_2: JP1.2 X1.1 | length 76.8
  Top w0.2: JP1.2 131.087,41.497 132.19,42.6 X1.1
NetJP4_1: JP4.1 R1.1 R4.2 | length 3.5
  Top w0.5: R1.1 61.698,40.317 61.698,38.503 JP4.1 61.701,38.494 61.701,36.809 R4.2
NetL1_2: L1.2 U3.63
NetR6_1: R6.1 SW1.3 SW1.4 | length 5.7
  Top w0.5: SW1.4 96.303,34.04 ; R6.1 96.303,34.04 ; SW1.3 96.303,34.04
NetR7_1: R7.1 SW2.3 SW2.4 | length 5.7
  Top w0.5: SW2.4 88.567,34.04 ; R7.1 88.567,34.04 ; SW2.3 88.567,34.04
QSPI_CS: R4.1 R5.2 U2.1 | length 23.2
  Top w0.5: R5.2 v1(63.106,35.946) R4.1 ; v1(80.269,29.139) U2.1
  Bottom w0.2: v1(63.106,35.946) 65.761,35.946 71.017,30.69 78.717,30.69 v1(80.269,29.139)
QSPI_SCLK: U1.6 U2.6 U3.71 | length 29.8
  Top w0.2: U3.71 v1(72.7,47.91)
  Top w0.4: U2.6 v1(82.809,37.534)
  Top w0.5: U1.6 v1(73.665,38.49)
  Inner1 w0.2: v1(73.665,38.49) 73.665,34.644 74.65,33.659 81.92,33.659 82.809,34.548 v1(82.809,37.534)
  Inner2 w0.2: v1(72.7,47.91) 72.7,47.091 73.665,46.126 v1(73.665,38.49)
QSPI_SD0: U1.5 U2.5 U3.72 | length 32.7
  Top w0.2: v1(72.816,45.583) 73.1,45.868 U3.72
  Top w0.4: U2.5 v1(84.079,37.534)
  Top w0.5: U1.5 v1(74.935,38.49)
  Inner2 w0.2: v1(74.935,38.49) 74.935,36.249 77.525,33.659 82.915,33.659 84.079,34.823 v1(84.079,37.534)
  Bottom w0.2: v1(72.816,45.583) 75.353,43.046 77.664,43.046 78.39,42.32 78.39,40.28 76.6,38.49 v1(74.935,38.49)
QSPI_SD1: U1.2 U2.2 U3.74 | length 32.1
  Top w0.2: U3.74 73.9,45.69 74.469,45.121 v1(74.503,45.121)
  Top w0.4: v1(72.395,28.828) U1.2 ; v1(81.539,29.139) U2.2
  Inner1 w0.2: v1(74.503,45.121) 74.503,41.133 73.1,39.73 73.1,36.65 72.395,35.945 v1(72.395,28.828) 73.713,27.51 79.91,27.51 v1(81.539,29.139)
QSPI_SD2: U1.3 U2.3 U3.73 | length 34.3
  Top w0.2: U3.73 v1(73.5,47.91)
  Top w0.4: v1(73.665,28.828) U1.3 ; v1(82.806,29.139) v1(82.806,29.139) 82.808,30.654 U2.3
  Inner2 w0.2: v1(73.5,47.91) 75.39,46.02 75.39,41.53 74.355,40.495 74.355,36.424 74.18,36.249 74.18,35.945 73.665,35.43 v1(73.665,28.828) 74.983,27.51 81.178,27.51 v1(82.806,29.139)
QSPI_SD3: U1.7 U2.7 U3.70 | length 27.1
  Top w0.2: v1(72.3,46.163) U3.70
  Top w0.4: U2.7 v1(81.539,37.534)
  Top w0.5: U1.7 v1(72.395,38.49)
  Inner2 w0.2: v1(72.3,46.163) 72.3,44.705 73.1,43.905 73.1,39.195 v1(72.395,38.49)
  Bottom w0.2: v1(72.395,38.49) 72.395,35.914 74.65,33.659 79.979,33.659 81.539,35.219 v1(81.539,37.534)
QSPI_SS: R6.2 U1.1 U3.75 | length 56.7
  Top w0.2: U3.75 v1(74.3,47.901)
  Top w0.4: v1(71.125,28.828) U1.1
  Top w0.5: R6.2 v1(96.303,37.245)
  Inner1 w0.2: v1(71.125,28.828) 71.125,35.078 71.78,35.733 71.78,39.33 73.5,41.05 73.5,45.783 74.3,46.583 v1(74.3,47.901)
  Bottom w0.2: v1(71.125,28.828) 72.953,27 91.88,27 96.303,31.423 v1(96.303,37.245)
RUN: R7.2 U3.35 | length 34.5
  Top w0.2: v1(70.699,55.337) U3.35@70.7,56.773
  Top w0.5: R7.2 v1(88.567,37.245)
  Inner1 w0.2: v1(70.699,55.337) 70.699,56.073 71.529,56.902 77.71,56.902 88.567,46.046 v1(88.567,37.245)
SWCLK: U3.33 X8.1 | length 40.5
  Top w0.2: U3.33 v1(71.5,58.007)
  Inner1 w0.2: X8.1 68.089,58.007 v1(71.5,58.007)
SWDIO: U3.34 X8.3 | length 39.6
  Top w0.2: v1(70.81,59.275) 70.81,57.76 71.1,57.47 U3.34
  Inner1 w0.2: X8.3 64.277,59.275 v1(70.81,59.275)
VBUS: C21.2 C25.1 U4.1 U4.3 U5.3 X2.1 X2.2 X2.3 X4.1 X7.1 | length 8.5
  Top w0.4: X4.1 79.09,20.161 X7.1
  Top w0.5: v1(67.01,22.464) U4.1 ; C25.1 67.95,20.759 67.96,20.748 v1(67.96,20.746) ; v1(68.89,22.464) U4.3
  other v1: 62.884,18.819 62.884,19.529 62.884,20.239
XIN: C23.2 U3.30 Y1.1 | length 9.7
  Top w0.2: U3.30 C23.2 73.215,59.275 75.1,61.16 75.1,63.182 74.48,63.802 73.413,63.802 Y1.1
XOUT: R11.2 U3.31 | length 2.7
  Top w0.2: R11.2 71.9,58.6 72.3,58.2 U3.31
pads on no net: D1.3 U4.4 X7.0 X7.4

## Polygon pours and split planes (outlines as drawn)
+1V1 on Inner2 "+1V1_L04_P000" (solid, pour order 0): 67.475,56.773 77.525,56.773 77.525,50.177 71.61,50.177 71.61,41.53 67.475,41.53
GND on Ground Plane (GND) (split plane): 134.49,10.51 10.51,10.51 10.51,74.49 134.49,74.49
+1V8 on PWR (split plane): 134.49,10.51 79.672,10.51 79.672,22.371 79.668,22.404 79.664,22.436 79.664,22.437 79.663,22.437 79.651,22.467 79.638,22.497 79.619,22.523 79.598,22.549 79.598,22.55 77.058,25.083 77.032,25.102 77.006,25.123 76.976,25.135 76.945,25.148 76.913,25.152 76.88,25.156 62.436,25.156 62.436,36.67 64.922,39.156 66.337,40.571 72.078,46.312 72.118,46.364 72.143,46.425 72.152,46.49 72.152,48.515 77.396,48.515 77.462,48.524 77.522,48.549 77.575,48.589 77.615,48.641 77.64,48.702 77.648,48.767 77.648,56.773 77.64,56.839 77.615,56.899 77.575,56.952 77.522,56.992 77.462,57.017 77.396,57.025 54.235,57.025 54.235,74.49 134.49,74.49
VBUS on PWR (split plane): 79.168,22.266 79.168,10.51 62.436,10.51 62.436,24.652 76.776,24.652
IOVDD on PWR (split plane): 77.144,49.019 66.007,49.019 65.942,49.011 65.881,48.986 65.829,48.946 59.367,42.483 59.327,42.431 59.301,42.37 59.293,42.305 59.293,39.582 43.655,39.582 41.722,41.515 41.722,44.155 44.721,47.155 54.088,56.521 77.144,56.521
+3V3 on PWR (split plane): 53.731,56.878 44.365,47.511 41.292,44.438 41.252,44.386 41.226,44.325 41.218,44.26 41.218,41.41 41.226,41.345 41.252,41.284 41.292,41.232 43.372,39.152 43.424,39.112 43.485,39.086 43.55,39.078 59.545,39.078 59.61,39.086 59.671,39.112 59.723,39.152 59.763,39.204 59.789,39.265 59.797,39.33 59.797,42.201 66.112,48.515 71.648,48.515 71.648,46.594 65.981,40.927 64.566,39.512 62.006,36.952 61.966,36.9 61.94,36.839 61.932,36.774 61.932,10.51 10.51,10.51 10.51,74.49 53.731,74.49

## Other copper
Top:
  region net +1V8: 65.37,32.81 65.761,32.419 65.761,32.001 65.37,31.61
  region net +1V8: 58.341,38.5 58.341,32.209 58.94,31.61 65.37,31.61 65.37,32.81 60.141,32.81 59.541,33.41 59.541,38.5
  region net VBUS: 60.079,18.869 61.764,18.869 62.134,19.239 62.134,21.746 63.634,21.746 63.634,18.554 63.049,17.969 60.079,17.969
  region net +3V3: 59.834,21.746 59.834,20.269 59.704,20.139 59.704,19.239 60.454,19.239 61.334,20.119 61.334,21.746
  region net GND: 59.034,21.746 59.034,17.989 59.054,17.969 57.824,17.969 57.534,18.259 57.534,21.746
  region net +1V8: 67.01,25.704 66.318,25.704 66.14,25.882 66.14,26.479
  region net +1V8: 67.366,26.2 67.365,26.2 67.365,27.975 66.815,27.975 66.14,27.3 66.14,26.479 66.875,25.744
  region net +3V3: 52.699,38.51 52.699,36.063 53.052,35.71 53.548,35.71 53.899,36.061 53.899,38.51
  region net IOVDD: 61.701,41.345 58.965,41.345 58.119,40.499 58.119,38 54.131,38 54.121,38.01 54.121,39.371 56.845,42.095 61.701,42.095
  region net +1V1: 69.825,44.29 69.825,41.53 70.425,41.53 71.05,42.155 71.05,44.115
  region net NetL1_2: 69.39,46.981 69.39,43.26 69.26,43.13 68.675,43.13 68.675,41.53 68.975,41.53 69.61,42.165 69.61,46.981
  region net +3V3: 71.39,46.981 71.39,47.506 71.24,47.656 70.159,47.656 70.01,47.506 70.01,46.981 69.79,46.981 69.79,47.908 70.046,48.164 71.354,48.164 71.61,47.908 71.61,46.981
  region net +1V1: 70.3,44.015 70.85,44.565 71.05,44.364 71.05,43.865 70.3,43.115
  region net +1V1: 70.575,44.29 70.85,44.565 70.95,44.565
  region net +3V3: 69.79,46.981 69.79,46.591 69.825,46.556 69.825,45.05 70.575,45.05 70.575,45.5 70.01,46.065 70.01,46.981
  region net GND: 68.99,46.981 69.21,46.981 69.21,46.591 69.175,46.556 69.175,43.39 67.83,43.39 67.83,44.905 68.99,46.065
  region net NetC24_2: 72.15,59.825 72.165,59.84 72.165,61.175 71.9,61.44 71.9,62.738 70.5,62.738 70.5,60.975 71.65,59.825
  region net GND: 72.7,62.738 72.7,61.46 72.415,61.175 72.415,59.81 72.425,59.8 72.975,59.8 74.1,60.925 74.1,62.738
PWR (plane layer: these items are gaps in the copper):
  lines w0.5: 53.983,75.092 53.983,56.773 ; 62.184,9.939 62.184,36.774 64.744,39.334 66.159,40.749 71.9,46.49 71.9,48.767 ; 62.184,24.904 76.88,24.904 79.42,22.371 79.42,10.01 ; 53.983,56.773 44.543,47.333 41.47,44.26 41.47,41.41 43.55,39.33 59.545,39.33 59.545,42.305 66.007,48.767 77.396,48.767 77.396,56.773 53.983,56.773

## Silkscreen, mask and mechanical layers (free items; w line width, h text height)
Top Overlay:
  lines w0.152: 48.26,35.95 64.631,35.95 ; 48.26,35.95 48.26,34.26 64.631,34.26 64.631,35.95 ; 48.26,35.95 64.631,35.95 ; 48.26,35.95 48.26,37.64 64.631,37.64 64.631,35.95 ; 51.88,41.02 56.13,41.02 ; 51.88,41.02 51.88,34.26 56.13,34.26 ; 51.88,41.02 60.38,41.02 ; 51.88,41.02 51.88,42.65 60.38,42.65 60.38,41.02 ; 51.88,41.02 60.38,41.02 ; 51.88,41.02 51.88,39.33 60.38,39.33 ; 56.13,34.26 56.13,41.02 ; 56.13,34.26 60.38,34.26 60.38,41.02 ; 56.13,34.26 56.13,41.02 ; 56.13,41.02 60.38,41.02 ; 60.38,39.33 60.38,41.02 ; 60.38,39.33 64.631,39.33 64.631,37.64 60.38,37.64 60.38,39.33
  lines w0.2: 11.54,70.322 133.46,70.322 133.46,72.812 11.54,72.812 11.54,70.322 ; 82.19,40.45 86.16,40.45 86.16,44.13 82.19,44.13 82.19,40.45
  text "GPIO1" at 130.083,66.487 h1.5 r90
  text "GPIO9" at 109.756,66.335 h1.5 r90
  text "GPIO8" at 112.297,66.335 h1.5 r90
  text "GPIO7" at 114.838,66.337 h1.5 r90
  text "GPIO6" at 117.379,66.337 h1.5 r90
  text "GPIO4" at 122.46,66.34 h1.5 r90
  text "GPIO3" at 125.001,66.337 h1.5 r90
  text "GPIO2" at 127.542,66.344 h1.5 r90
  text "GPIO0" at 132.624,66.34 h1.5 r90
  text "GPIO5" at 119.919,66.331 h1.5 r90
  text "GPIO41" at 28.449,65.884 h1.5 r90
  text "GPIO31" at 53.857,65.884 h1.5 r90
  text "GPIO21" at 79.266,65.884 h1.5 r90
  text "GPIO11" at 104.674,65.884 h1.5 r90
  text "GPIO47" at 13.204,65.734 h1.5 r90
  text "GPIO46" at 15.745,65.734 h1.5 r90
  text "GPIO45" at 18.285,65.727 h1.5 r90
  text "GPIO44" at 20.826,65.736 h1.5 r90
  text "GPIO43" at 23.367,65.734 h1.5 r90
  text "GPIO42" at 25.908,65.74 h1.5 r90
  text "GPIO40" at 30.99,65.736 h1.5 r90
  text "GPIO39" at 33.531,65.731 h1.5 r90
  text "GPIO38" at 36.071,65.731 h1.5 r90
  text "GPIO37" at 38.612,65.734 h1.5 r90
  text "GPIO36" at 41.153,65.734 h1.5 r90
  text "GPIO35" at 43.694,65.727 h1.5 r90
  text "GPIO34" at 46.235,65.736 h1.5 r90
  text "GPIO33" at 48.776,65.734 h1.5 r90
  text "GPIO32" at 51.317,65.74 h1.5 r90
  text "GPIO30" at 56.398,65.736 h1.5 r90
  text "GPIO29" at 58.939,65.731 h1.5 r90
  text "GPIO28" at 61.48,65.731 h1.5 r90
  text "GPIO27" at 64.021,65.734 h1.5 r90
  text "GPIO26" at 66.562,65.734 h1.5 r90
  text "GPIO25" at 69.102,65.727 h1.5 r90
  text "GPIO24" at 71.643,65.736 h1.5 r90
  text "GPIO23" at 74.184,65.734 h1.5 r90
  text "GPIO22" at 76.725,65.74 h1.5 r90
  text "GPIO20" at 81.807,65.736 h1.5 r90
  text "GPIO19" at 84.348,65.731 h1.5 r90
  text "GPIO18" at 86.888,65.731 h1.5 r90
  text "GPIO17" at 89.429,65.734 h1.5 r90
  text "GPIO16" at 91.97,65.734 h1.5 r90
  text "GPIO15" at 94.511,65.727 h1.5 r90
  text "GPIO14" at 97.052,65.736 h1.5 r90
  text "GPIO13" at 99.593,65.734 h1.5 r90
  text "GPIO12" at 102.134,65.74 h1.5 r90
  text "GPIO10" at 107.215,65.736 h1.5 r90
  text "GPIO0" at 82.55,42.656 h1.5
  text "IOVDD" at 37.5,42.426 h1.5
  text "IOVDD" at 54.52,41.306 h1.5
  text "+1V8" at 56.819,39.702 h1.5
  text "+3V3" at 52.72,39.686 h1.5
  text "SWDIO" at 37.19,37.316 h1.5
  text "13K7" at 53.24,36.406 h1.5
  text "0" at 57.905,36.376 h1.5
  text "R4" at 49.4,36.27 h1.5
  text "GND" at 38.483,34.746 h1.5
  text "DNM" at 56.769,34.69 h1.5
  text "R5" at 49.37,34.646 h1.5
  text "16K5" at 52.915,34.646 h1.5
  text "SWCLK" at 36.964,32.206 h1.5
  text "BOOTSEL" at 93.858,29.23 h1.5
  text "RESET" at 86.873,29.103 h1.5
  text "VBUS" at 77.294,24.241 h1.5 r90
  text "D-" at 79.83,24.24 h1.5 r90
  text "D+" at 82.46,24.24 h1.5 r90
  text "GND" at 84.814,24.24 h1.5 r90
  text "+3V3" at 53.43,16.696 h1.5
  text "+1V8" at 66.34,16.696 h1.5
  text "VBUS" at 92.181,16.696 h1.5
  text "GND" at 105.6,16.696 h1.5
Board Shape:
  the board outline again, w0.2